# KiCad board Spielmodul.kicad_pcb (continued)
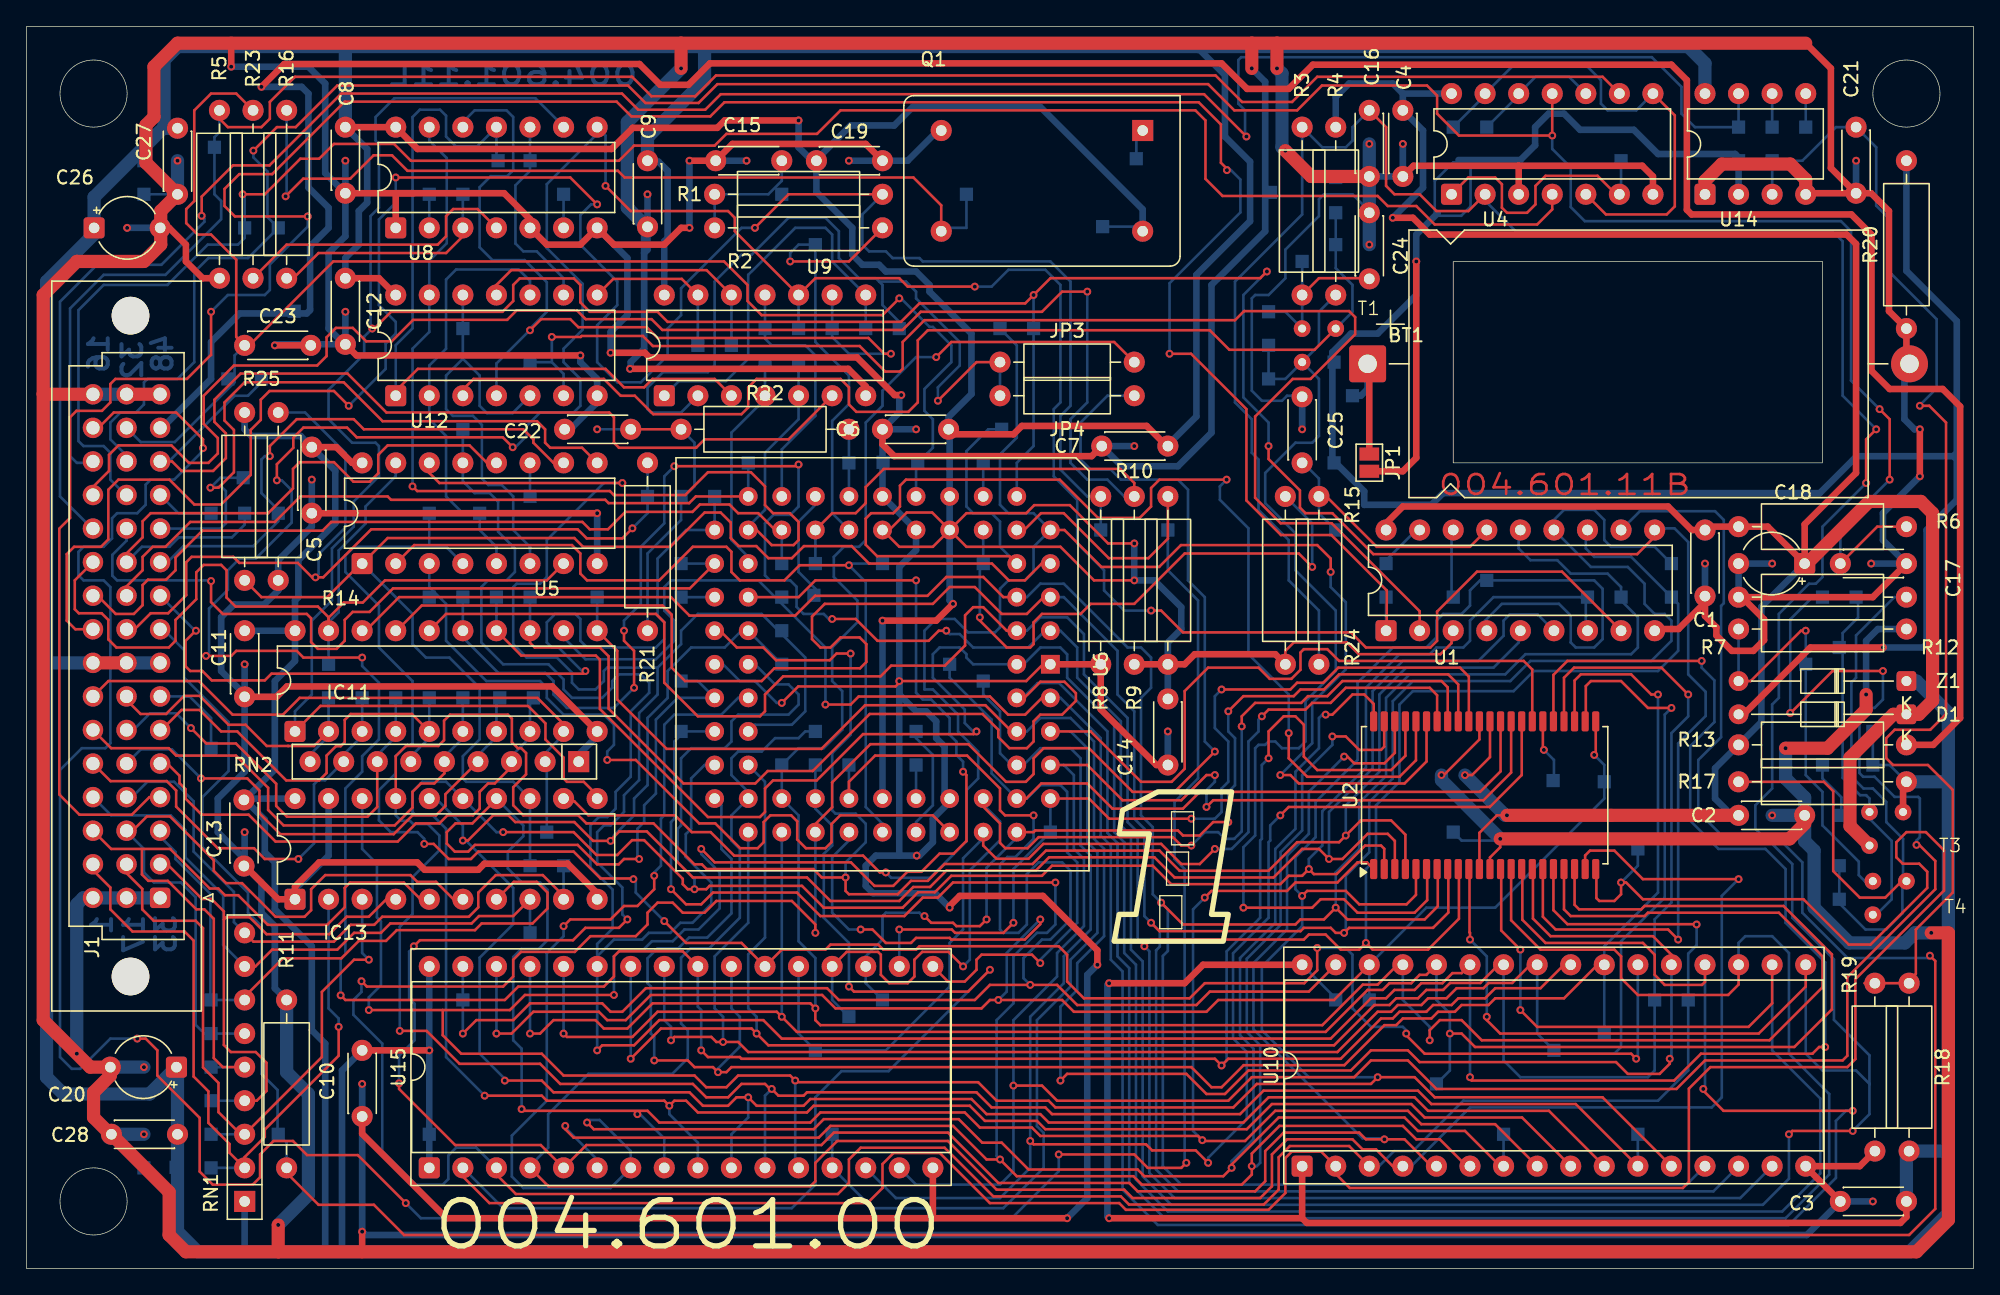
[diagram p0: board, top side]
## Routing (per net, layer and track width the routed paths; a pad name or vN(x,y) marks a point on that pad's centre or on a via; arc(x,y) is an arc through that point) (continued)
D6: length 196.8
  Top w0.2: 113.18,30.1 113.18,26.39 114.94,24.64 122.3,24.64 123.19,23.75 123.19,22.22 123.95,21.46 126.77,21.46 127,21.69 U10.20 ; U6.67 76.84,43.18 75.56,41.91 74.27,41.91 72.9,43.28 62.97,43.28 62.36,42.67 v1(60.45,42.67) ; v1(126.87,13.59) 126.87,13.46 128.4,11.94 v1(138.18,11.94)
  Bottom w0.2: 127,22.86 127,13.72 v1(126.87,13.59) ; 40.64,47.75 42.29,46.1 47.62,46.1 49.02,47.5 49.02,49.02 48.26,49.78 48.26,51.56 48.77,52.07 55.37,52.07 60.45,46.99 v1(60.45,42.67) ; v1(138.18,11.94) 137.67,11.94 136.91,11.18 136.91,6.86 133.35,3.3 85.6,3.3 82.93,5.97 82.93,22.48 82.04,23.37 82.04,32 81.28,32.77 81.28,40.13 78.23,43.18 U6.67
D7: length 149.1
  Top w0.2: 74.54,40.64 72.56,42.62 63.45,42.62 60.15,39.32 48.44,39.32 44.7,43.05 44.7,46.74 IC11.11 ; v1(124.33,15.88) 124.33,15.49 123.57,14.73 121.16,14.73 120.27,15.62 105.41,15.62 104.52,16.51 101.73,16.51 100.2,14.99 92.46,14.99 90.68,13.21 89.28,13.21 87.76,14.73 78.74,14.73 v1(78.23,14.22) ; 113.98,30.1 113.98,26.48 115.32,25.15 123.06,25.15 124.46,23.75 U10.21
  Bottom w0.2: v1(124.33,15.88) 124.46,16 124.46,22.86 ; U6.66 75.69,40.64 76.71,41.66 78.99,41.66 80.77,39.88 80.77,32.51 81.53,31.75 81.53,25.15 79.5,23.11 79.5,21.08 78.23,19.81 v1(78.23,14.22) ; TP75.1 IC11.11
D8: length 110
  Top w0.2: U6.65 80.52,40.64 84.33,36.83 86.65,36.83 87.63,37.81 87.63,43.69 89.41,45.47 93.22,45.47 94.06,44.62 95.71,44.62 96.39,45.31 96.39,46.61 96.65,46.86 98.43,46.86 99.31,45.97 113.28,45.97 113.93,45.33 113.93,41.4
  Bottom w0.2: 60.96,9.91 U15.13 64.01,4.57 73.91,4.57 76.96,7.62 76.96,10.27 76.45,10.78 76.45,18.8 78.99,21.34 78.99,23.37 81.03,25.4 81.03,31.5 80.26,32.26 80.26,39.37 78.99,40.64 U6.65
D9: length 126.8
  Top w0.2: 113.13,41.4 113.13,37.34 110.72,34.92 95.5,34.92 v1(94.87,34.29) ; v1(75.95,9.65) 76.2,9.4 84.71,9.4 85.17,8.94 88.47,8.94 v1(89.41,8)
  Bottom w0.2: v1(94.87,34.29) 94.11,33.53 94.11,32.39 93.98,32.26 93.98,26.54 91.29,23.86 91.29,17.42 92.33,16.38 92.33,11.3 89.41,8.38 v1(89.41,8) ; U15.14 65.79,5.33 73.66,5.33 75.95,7.62 v1(75.95,9.65) 75.95,19.05 78.49,21.59 78.49,23.62 80.52,25.65 80.52,31.24 79.76,32 79.76,38.61 78.99,39.37 76.71,39.37 75.44,38.1 ; 72.39,44.2 72.39,43.43 73.66,42.16 73.66,38.99 74.55,38.1
D10: length 211.7
  Top w0.2: v1(89.92,37.34) 89.28,37.34 87.38,35.43 82.93,35.43 80.26,38.1 U6.63 ; 112.33,41.4 112.33,37.53 110.24,35.43 89.79,35.43 v1(89.28,34.92) ; v1(140.46,45.21) 136.65,45.21 133.48,42.04 v1(133.45,42.04) ; v1(74.68,13.84) 76.84,13.84 77.98,12.7 90.93,12.7 92.71,14.48 100.46,14.48 101.73,15.75 104.52,15.75 106.68,13.59 124.84,13.59 127,15.75 137.41,15.75 137.77,16.1 137.77,22.05 144.42,28.7 144.42,30.84 143.21,32.05 v1(143,32.05)
  Bottom w0.2: v1(89.28,34.92) 89.28,36.2 89.92,36.83 v1(89.92,37.34) ; v1(140.46,45.21) 140.46,43.05 139.83,42.42 139.29,42.42 138.68,41.81 138.68,37.49 138.96,37.21 139.83,37.21 141.35,35.69 143.13,35.69 143.26,35.56 143.26,32.64 143,32.39 v1(143,32.05) ; v1(133.45,42.04) 133.45,49.12 135.13,50.8 TP139.1 ; U6.63 78.49,38.1 79.25,37.34 79.25,31.75 80.01,30.99 80.01,25.91 77.98,23.88 77.98,22.1 74.68,18.8 v1(74.68,13.84) 74.68,7.37 73.66,6.35 67.31,6.35 U15.15
D11: length 83.8
  Top w0.2: U6.62 75.64,35.56 76.78,36.7 80.26,36.7 82.17,34.8 87.5,34.8 88.77,36.07 109.98,36.07 111.53,37.62 111.53,41.4 ; U15.17 69.72,21.72 70.99,21.72 71.88,22.61 71.88,23.37 72.26,23.75 76.07,23.75 v1(76.71,23.11)
  Bottom w0.2: 69.85,45.47 69.85,44.7 73.03,41.53 73.03,37.47 U6.62 75.69,35.56 76.7,36.57 78.24,36.57 78.74,36.07 78.74,31.5 79.5,30.73 79.5,26.16 76.71,23.37 v1(76.71,23.11)
D12: length 69.2
  Top w0.2: v1(90.42,43.81) 95.63,43.81 96.14,44.32 98.11,44.32 99.25,45.47 108.46,45.47 109.13,44.79 109.13,41.4 ; v1(88.14,34.04) 81.91,34.04 80.39,35.56 U6.61 ; v1(74.68,26.16) 73.91,25.4 70.26,25.4 70.01,25.65 66.17,25.65
  Bottom w0.2: U15.18 v1(66.04,25.65) ; v1(88.14,34.04) 89.92,34.04 90.42,34.54 90.42,36.32 90.93,36.83 90.93,39.88 89.92,40.89 89.92,43.31 v1(90.42,43.81) ; U6.61 TP64.1 74.68,30.23 v1(74.68,26.16)
D13: length 70.3
  Top w0.2: 108.33,41.4 108.33,44.2 107.57,44.96 99.31,44.96 98.17,43.81 96.39,43.81 95.88,43.31 92.07,43.31 v1(90.93,42.16) ; U6.60 76.2,33.02 76.33,33.15 87.12,33.15 87.5,32.77 88.77,32.77 89.79,33.78 v1(90.93,33.78) ; v1(67.94,26.67) 68.45,26.16 70.1,26.16 70.36,25.91 72.14,25.91 v1(72.64,26.42)
  Bottom w0.2: 74.93,32.61 72.64,30.33 v1(72.64,26.42) ; v1(67.94,26.67) 67.82,26.67 67.56,26.92 65.02,26.92 64.77,26.67 64.77,24.89 63.5,23.62 U15.19 63.5,21.59 TP48.1 ; v1(90.93,33.78) 90.93,36.07 91.44,36.58 91.44,40.13 90.93,40.64 v1(90.93,42.16)
D14: length 84
  Top w0.2: U15.20 62.06,23.96 64.43,23.96 64.64,23.75 64.64,22.22 65.28,21.59 66.68,21.59 67.18,22.1 67.18,23.37 67.78,23.96 69.76,23.96 v1(70.87,22.86) ; v1(91.95,41.02) 91.95,41.78 92.96,42.8 96.45,42.8 96.96,43.31 98.43,43.31 99.57,44.45 107.06,44.45 107.53,43.98 107.53,41.4 ; 72.39,34.95 73.66,33.68 73.66,32.21 74.07,31.8 75.74,31.8 76.58,32.64 86.74,32.64 87.38,32 v1(88.14,32)
  Bottom w0.2: v1(88.14,32) 89.15,33.02 90.17,33.02 90.68,32.51 91.38,32.51 91.95,33.08 v1(91.95,41.02) ; v1(70.87,22.86) 71.37,23.37 71.37,30.12 73.66,32.41 73.66,33.83 72.39,35.1 ; U15.20 60.96,20.32 TP49.1
D15: length 80.5
  Top w0.2: 106.73,41.4 106.73,43.38 106.17,43.94 99.82,43.94 98.68,42.8 97.28,42.8 96.77,42.29 93.98,42.29 v1(93.47,41.78) ; U6.58 72.39,32 73.39,31.01 75.81,31.01 76.94,32.13 85.85,32.13 87.38,30.61 88.77,30.61 v1(89.92,31.75)
  Bottom w0.2: U15.21 58.42,17.78 TP50.1 65.02,16.51 69.85,21.34 69.85,24.64 70.87,25.65 70.87,31.04 72.39,32.56 ; v1(89.92,31.75) 91.19,31.75 92.46,33.02 92.46,39.88 93.22,40.64 93.22,41.53 v1(93.47,41.78)
EXT_RANGE: length 70.7
  Top w0.2: 22.86,48.7 22.86,49.24 24.01,50.39 25.45,50.39 27.13,52.07 39.37,52.07 U5.7 ; J1.c11 3.66,52.07 3.66,49.89 3.96,49.58 5.69,49.58 6.2,49.07 6.2,47.6 6.81,46.99 10.77,46.99 11.28,47.5 11.28,49.07 12.85,50.65 12.85,52.68 13.41,53.24 14.73,53.24 15.14,52.83 15.14,50.77 15.82,50.09 22.05,50.09 22.86,49.28 IC11.19
  Bottom w0.2: 22.86,48.89 23.62,49.66 23.62,54.33 25.65,56.36 25.65,57.66 27.94,59.94 U5.15 ; IC11.19 TP70.1
FC0: length 15.8
  Bottom w0.2: 54.61,53.85 53.34,55.12 53.34,63.25 55.88,65.79 ; U9.4 55.88,68.33
FC1: length 60
  Top w0.2: U6.29 50.19,51.46 27.74,51.46 25.96,49.68 24.69,49.68 24.08,49.07 24.08,47.5 23.47,46.89 22.05,46.89 21.54,47.4 21.54,49.2 21.21,49.53 14.86,49.53 13.97,50.42 v1(13.97,52.02)
  Bottom w0.2: J1.b12 7.57,55.07 6.5,54 6.5,52.43 6.86,52.07 13.84,52.07 13.89,52.02 v1(13.97,52.02) ; U6.29 TP16.1
FC2: length 81
  Top w0.2: U6.28 55.25,55.88 56.39,54.74 58.04,54.74 58.42,55.12 58.42,56.49 57.76,57.15 56.49,57.15 55.88,57.76 55.88,59.18 54.81,60.25 51.56,60.25 49.83,58.52 44.45,58.52 44.15,58.83 29.57,58.83 v1(29.21,59.18)
  Bottom w0.2: 54.61,56.13 55.88,57.4 55.88,61.72 58.42,64.26 U9.5 58.42,68.33 ; v1(29.21,59.18) 29.21,69.6 30.48,70.87 U12.13 30.48,76.25 31.8,77.57 31.8,84.02 30.48,85.34 U8.13
IPL0: length 68.7
  Top w0.2: v1(12.83,48.26) 12.8,48.26 12.04,47.5 12.04,45.57 12.4,45.21 13.31,45.21 14.02,44.5 18.03,44.5 18.54,45.01 42.11,45.01 42.29,45.19 v1(42.29,45.21)
  Bottom w0.2: TP13.1 U6.27 49.91,55.88 47.75,53.72 47.75,49.4 48.26,48.89 48.26,47.62 47.62,46.99 42.42,46.99 41.91,47.5 41.91,49.15 41.53,49.53 40,49.53 39.37,48.89 39.37,47.37 39.75,46.99 40.26,46.99 42.04,45.21 v1(42.29,45.21) ; J1.a10 12.76,48.26 v1(12.83,48.26)
IPL1: length 54.1
  Top w0.2: U6.26 50.65,58.42 50.14,57.91 44.04,57.91 43.79,58.17 27.58,58.17 27.33,58.42 20.73,58.42 18.8,56.49 12.4,56.49 10.52,54.61 9.55,54.61 8.79,53.85 8.79,52.83 7.57,51.62 J1.b10
  Bottom w0.2: U6.26 TP14.1
IPL2: length 60.5
  Top w0.2: 56.64,55.88 55.37,57.15 53.85,57.15 53.19,57.81 50.95,57.81 50.39,57.25 45.31,57.25 43.99,55.93 42.62,55.93 42.06,56.49 23.06,56.49 22.4,55.83 13.31,55.83 11.28,53.8 11.28,52.83 10.57,52.12 9.19,52.12 8.79,51.71 8.79,50.19 8.13,49.53 6.76,49.53 5.38,50.91
  Bottom w0.2: TP9.1 U6.25
LDS: length 144.9
  Top w0.2: v1(98.68,52.7) 98.68,53.72 97.66,54.74 87.35,54.74 85.7,53.09 81.33,53.09 78.54,55.88 U6.9 ; 40.84,35.36 41.45,35.36 42.52,34.29 49.07,34.29 50.34,33.02 51.77,33.02 53.54,31.24 63.3,31.24 64.57,29.97 v1(65.02,29.97) ; 105.93,41.4 105.93,38.37 104.27,36.7 96.27,36.7 95.63,37.34 v1(94.87,37.34)
  Bottom w0.2: v1(94.87,37.34) 97.28,39.75 97.28,42.8 99.82,45.34 99.82,50.42 98.68,51.56 v1(98.68,52.7) ; v1(65.02,29.97) 65.43,29.57 68.37,29.57 71.12,32.32 71.12,36.2 72.01,37.08 72.01,39.12 70.48,40.64 70.48,41.91 68.58,43.81 67.94,43.81 67.94,48.26 68.83,49.15 70.23,49.15 71.25,48.13 73.28,48.13 73.66,48.51 73.66,51.44 74.29,52.07 75.56,52.07 76.2,52.7 76.2,54.61 U6.9 76.2,57.15 74.29,57.15 73.66,57.78 73.66,61.59 74.93,62.86 74.93,69.85 TP117.1
OE: length 377.6
  Top w0.2: v1(13.59,46.36) 15.49,46.36 15.88,46.74 20.45,46.74 20.95,46.23 v1(25.4,46.23) ; 116.33,22.99 114.55,21.21 111.12,21.21 110.36,20.45 108.33,20.45 107.82,19.94 106.43,19.94 105.92,19.43 103.89,19.43 103.38,18.92 102.49,18.92 99.44,15.88 90.93,15.88 v1(90.42,15.37) 89.92,15.88 54.1,15.88 53.97,16 51.56,16 v1(51.05,16.51) ; v1(36.79,62.14) 36.04,62.89 24.99,62.89 24.26,63.63 20.95,63.63 20.19,62.86 20.19,62.1 18.95,60.86 v1(18.95,59.64) ; U1.8 116.18,52.73 109.75,52.73 106.73,49.71 106.73,47.5 106.22,46.99 101.35,46.99 100.2,48.13 87.5,48.13 85.85,49.78 v1(85.09,49.78) ; U15.24 49.66,24 44.83,24 44.45,23.62 44.45,22.1 43.69,21.34 37.21,21.34 36.19,20.32 24.13,20.32 v1(23.77,20.68) ; 104.33,41.4 104.33,38.8 103.25,37.72 97.66,37.72 96.65,38.73 96.65,41.15 96.01,41.78 95.12,41.78 93.98,40.64 v1(93.98,38.61) ; v1(71.75,74.3) 66.68,74.3 66.04,74.93 59.69,74.93 U9.10 53.59,78.49 53.59,79.5 53.09,80.01 45.72,80.01 v1(43.81,81.91)
  Bottom w0.2: v1(13.59,46.36) 13.82,46.58 13.82,49.94 15.24,51.36 15.24,52.83 16.13,53.72 17.35,53.72 20.07,56.44 20.07,58.89 19.32,59.64 v1(18.95,59.64) ; v1(93.98,38.61) 93.47,38.1 93.47,32.51 93.34,32.39 93.34,26.54 90.81,24 90.81,15.75 v1(90.42,15.37) ; v1(51.05,16.51) 51.05,19.56 50.8,19.81 U15.24 ; v1(25.4,46.23) 25.4,45.59 26.67,44.32 26.67,40.04 25.4,38.77 25.4,37.59 24.13,36.32 24.13,23.77 23.77,23.42 v1(23.77,20.68) ; U8.8 43.81,85.72 v1(43.81,81.91) ; 43.18,85.85 39.37,82.04 39.37,77.22 42.08,74.51 42.08,71.03 40.64,69.6 40.64,68.58 41.91,67.31 41.91,65.28 41.4,64.77 38.86,64.77 37.85,63.75 37.85,62.99 36.96,62.1 36.83,62.1 v1(36.79,62.14) ; U9.10 58.42,70.87 ; v1(85.09,49.78) 83.06,49.78 81.53,51.31 81.53,52.83 79.5,54.86 79.5,58.17 77.72,59.94 77.72,65.02 78.23,65.53 78.23,74.42 77.09,75.56 74.29,75.56 73.03,74.3 v1(71.75,74.3)
R/~{W}: length 284.3
  Top w0.2: 43.18,35.81 42.16,36.83 40.89,36.83 40.64,37.08 40.64,38.66 39.27,40.03 39.27,41.25 37.95,42.57 22.25,42.57 IC11.1 ; v1(93.98,62.23) 93.98,61.25 96.35,58.88 96.35,57.57 96.77,57.15 98.81,57.15 101.9,54.05 121.87,54.05 123.19,55.37 ; v1(93.85,75.44) 93.34,74.93 77.47,74.93 v1(76.2,73.66) 75.56,73.03 67.56,73.03 66.17,71.63 48.51,71.63 47.75,72.39 42.62,72.39 41.91,73.1 41.91,74.42 41.42,74.91 37.32,74.91 36.83,74.42 36.83,73.2 36.02,72.39 27.58,72.39 26.31,71.12 v1(26.16,71.12) ; U2.17 114.73,26.62 115.7,25.65 124.21,25.65 v1(124.97,24.89)
  Bottom w0.2: v1(124.97,24.89) 124.97,39.73 127.05,41.81 127.05,43.64 125.73,44.96 125.73,54.97 124.69,56.01 123.32,56.01 ; IC11.1 20.32,42.16 21.59,43.43 21.59,49.02 23.11,50.55 23.11,54.48 24.77,56.13 24.77,58.04 26.67,59.94 26.67,62.23 26.42,62.48 24.64,62.48 22.86,64.26 22.86,66.5 25.55,69.19 25.55,70.51 v1(26.16,71.12) 26.03,71.25 26.03,79.63 26.67,80.26 26.67,85.09 26.42,85.34 26.42,87.12 27.84,88.54 38.51,88.54 40.26,86.79 ; U6.10 74.93,60.96 76.2,62.23 TP118.1 v1(76.2,73.66) ; v1(93.98,62.23) 93.98,64.01 92.07,65.91 92.07,73.66 v1(93.85,75.44)
RAM_RANGE: length 32.9
  Bottom w0.2: U12.10 38.1,74.73 37.24,75.59 32.51,75.59 31.75,74.83 31.75,69.6 30.48,68.33 U12.2 30.48,64.26 31.75,62.99 31.75,58.42 33.02,57.14 TP84.1 34.29,55.88 35.56,54.61 U5.5
RAM_SELECT: length 87.8
  Top w0.2: 33.02,66.5 33.83,67.31 43.69,67.31 44.96,66.04 46.02,66.04 47.42,64.64 54.1,64.64 54.61,65.15 54.61,66.67 55.25,67.31 61.59,67.31 62.23,66.67 62.23,65.38 62.79,64.82 66.73,64.82 67.44,65.53 67.44,70.23 68.2,70.99 89.53,70.99 91.01,69.52 97.46,69.52 T1.3
  Bottom w0.2: 99.06,80.01 99.06,75.69 100.33,74.42 100.33,72.39 T1.3
RAMVCC: length 221.7
  Top w0.2: v1(112.01,34.29) 111.25,34.29 109.93,32.97 U2.11 ; 110.73,41.4 110.73,38.7 109.37,37.34 v1(108.84,37.34)
  Top w0.5: 102.87,56.39 104.14,57.66 124.21,57.66 125.98,55.88 C1.1 ; 127.25,56.13 R6.1 131.75,56.13 C18.1 134.54,56.31 138.43,60.2 138.43,77.52 137.72,78.23 106.17,78.23 104.9,79.5 v1(103.38,79.5)
  Top w1: 134.72,53.34 139.42,58.04 143.33,58.04 144.22,57.15 144.22,42.98 143.18,41.94 D1.1 141.25,41.94 137.97,38.66 137.97,33.48 T3.1 ; v1(112.01,34.29) C2.1
  Bottom w0.2: 135.89,37.85 135.89,37.08 137.31,35.66 137.31,34.14 T3.1
  Bottom w0.5: 104.14,88.9 C4.1 105.66,86.11 105.66,81.79 v1(103.38,79.5) ; 104.14,88.9 U4.14 ; 104.14,88.9 103.38,89.66 100.08,89.66 99.06,88.65 R4.2 ; C18.1 131.27,50.07 131.27,41.35 R13.1 127.76,37.85 127.76,35.56 129.03,34.29
  Bottom w1: v1(108.84,37.34) 111.89,34.29 v1(112.01,34.29)
ROM_CE: length 155.9
  Top w0.2: v1(97.66,24.26) 97.66,22.57 96.68,21.59 89.15,21.59 88.01,20.45 80.01,20.45 78.74,21.72 78.74,23.75 78.1,24.38 67.56,24.38 67.31,24.13 64.83,24.13 64.45,24.51 60.83,24.51 60.45,24.13 57.15,24.13 U15.22 54.1,24.64 49.91,24.64 v1(48.26,26.29) ; v1(45.92,29.46) 45.87,29.51 43.43,29.51 41.4,31.55 34.19,31.55 33.63,30.99 31.95,30.99 30.81,32.13 v1(30.1,32.13) ; v1(121.79,15.88) 121.41,16.26 105.79,16.26 104.39,17.65 v1(104.39,17.78)
  Bottom w0.2: v1(104.39,17.78) 104.39,18.03 104.14,18.29 101.73,18.29 100.33,19.69 100.33,23.75 99.82,24.26 v1(97.66,24.26) ; v1(48.26,26.29) 46.1,28.45 46.1,29.29 v1(45.92,29.46) ; 121.92,22.86 121.92,16 v1(121.79,15.88) ; 30.48,54.61 24.78,54.61 24.13,53.96 24.13,52.7 26.67,50.17 26.67,46.99 29.21,44.45 29.21,39.75 29.08,39.62 28.8,39.62 27.94,38.77 27.94,37.47 26.67,36.2 26.67,33.91 27.56,33.02 29.59,33.02 30.1,32.51 v1(30.1,32.13) ; 30.48,54.61 31.75,54.61 U5.4 ; 30.48,54.61 TP83.1
RTC_CS: length 106.7
  Top w0.2: v1(39.75,70.48) 41.94,70.48 42.01,70.56 46.63,70.56 47.4,69.8 63.04,69.8 64.97,67.87 66.09,67.87 66.29,68.07 66.29,70.1 67.94,71.75 91.44,71.75 92.13,72.44 100.08,72.44 100.53,71.98 100.53,70.69 97.16,67.31 95.81,67.31 92.96,64.47 92.96,58.32 94.89,56.39 98.76,56.39 105.41,49.73 U1.2
  Bottom w0.2: U12.6 40.64,67.69 39.75,68.58 ; 39.75,68.58 TP86.1 ; 39.75,68.58 v1(39.75,70.48)
RTC_RANGE: length 33.6
  Bottom w0.2: 33.02,68.83 U12.12 ; 33.02,68.83 34.29,67.56 34.29,65.28 34.85,64.72 36.78,64.72 U12.5 ; 33.02,68.83 31.75,67.56 31.75,65.02 32.26,64.52 33.78,64.52 34.46,63.84 34.46,59.78 34.95,59.28 35.97,59.28 36.83,58.42 36.83,55.88 38.1,54.61 U5.6
UDS: length 98
  Top w0.2: U6.8 74.37,53.9 64.36,53.9 63.5,54.76 63.5,56.74 63.91,57.15 65.58,57.15 66.09,57.66 66.09,59.23 66.55,59.69 78.18,59.69 81.08,56.79 84.23,56.79 85.09,57.66 85.09,59.06 85.72,59.69 v1(90.81,59.69) ; 105.13,41.4 105.13,38.46 103.89,37.21 96.9,37.21 95.5,38.61 v1(95.5,40.51)
  Bottom w0.2: U6.8 73.66,54.61 73.66,56.52 73.03,57.15 71.63,57.15 71.12,57.66 71.12,61.85 72.77,63.5 TP11.1 ; v1(95.5,40.51) 95.5,43.43 92.46,46.48 92.46,56.01 90.3,58.17 90.3,59.18 v1(90.81,59.69)
~{AVEC}: length 140.2
  Top w0.2: v1(80.26,73.91) 78.36,73.91 76.84,72.39 67.67,72.39 66.29,71.02 48.11,71.02 47.29,71.83 42.32,71.83 41.66,72.49 37.08,72.49 36.37,71.78 29.26,71.78 27.64,70.15 25.7,70.15 24.69,71.17 23.42,71.17 22.71,70.46 22.71,69.04 22,68.33 15.7,68.33 13.41,66.04 13.41,63.91 14.48,62.84 14.48,61.67 13.77,60.96 12.29,60.96 10.97,62.28 6.96,62.28 6.25,61.57 6.25,60.35 5.03,59.14 ; R9.2 83.82,59.44 82.75,60.5 64.87,60.5 63.5,59.13 63.5,57.91 62.74,57.15 60.96,57.15 U6.23
  Bottom w0.2: R9.2 83.06,58.42 81.79,59.69 80.26,59.69 78.99,60.96 78.99,64.26 80.26,65.53 v1(80.26,73.91) ; TP10.1 U6.23
~{BERR}: length 19.4
  Bottom w0.2: U6.24 57.15,61.98 59.69,64.52 59.69,69.09 58.93,69.85 56.39,69.85 55.88,70.36 U9.11
~{BGACK}: length 43.1
  Top w0.2: v1(72.14,49.28) 72.14,49.02 74.17,46.99 75.95,46.99 76.2,47.24 76.2,48.89 76.84,49.53 79.76,49.53 80.52,50.29 83.82,50.29 87.63,54.1 96.27,54.1 v1(97.28,53.09)
  Bottom w0.2: U6.13 TP90.1 ; v1(97.28,53.09) 97.28,56.39 R15.2 ; 72.14,53.09 v1(72.14,49.28)
~{BG}: length 2.5
  Bottom w0.2: TP12.1 U6.12
~{DTACK}: length 239
  Top w0.2: v1(28.7,4.95) 25.07,8.59 21.23,8.59 20.17,9.65 18.69,9.65 17.68,8.64 17.68,6.91 17.12,6.35 14.1,6.35 13.11,7.34 13.11,11.4 9.91,14.6 9.91,16.51 9.02,17.4 v1(8.38,17.4) ; 75.49,55.88 76.76,57.15 78.49,57.15 81.89,53.75 84.89,53.75 86.36,55.22 R10.2 ; v1(87.76,8) 87.38,7.62 84.84,7.62 83.82,8.64 v1(78.1,8.64) ; 5.44,63.61 6.6,64.77 11.33,64.77 13.36,62.74 v1(13.36,62.08)
  Bottom w0.2: v1(28.7,4.95) 29.84,3.81 74.55,3.81 78.1,7.37 v1(78.1,8.64) ; v1(87.76,8) 87.63,8.13 87.63,30.23 86.87,30.99 86.87,35.31 88.65,37.08 88.65,50.55 86.36,52.83 R10.2 ; v1(8.38,17.4) 6.35,17.4 4.06,15.11 3.43,15.11 2.54,16 2.54,37.72 4.19,39.37 5.97,39.37 6.35,39.75 6.35,51.56 5.84,52.07 4.32,52.07 3.94,52.45 3.94,54.23 4.32,54.61 5.84,54.61 6.48,55.25 6.48,56.77 6.86,57.15 8.38,57.15 9.02,57.78 9.02,59.31 9.4,59.69 11.18,59.69 13.21,61.72 13.21,61.93 v1(13.36,62.08)
~{HALT}: length 5.1
  Bottom w0.2: R22.2 TP15.1 U6.20
~{RESET}: length 34.5
  Top w0.2: R2.2 62.23,76.2 v1(57.78,76.2)
  Bottom w0.2: v1(57.78,76.2) 57.78,76.84 58.42,77.47 TP17.1 59.69,70.1 62.23,67.56 62.23,65.41 60.96,64.14 60.96,57.15 U6.21
Net-(BT1-+): length 9.9
  Top w0.5: JP1.1 101.6,68.22
  Bottom w0.5: BT1.1 101.47,66.55 100.97,66.04 TP36.1
Net-(C15-Pad1): length 9.6
  Bottom w0.2: C15.1 57.15,82.3 56.13,81.28 R1.1 R2.1
Net-(C22-Pad1): length 23.5
  Top w0.2: R22.1 C22.1
  Bottom w0.2: R22.1 50.55,62.48 50.55,59.18 49.53,58.17 49.53,56.64 46.99,54.1 R21.1 ; C22.1 v1(43.18,63.5)
Net-(JP3-A): length 61.9
  Top w0.2: JP3.1 71.88,68.58 v1(68.96,65.66)
  Bottom w0.2: v1(68.96,65.66) 68.96,66.67 70.61,68.33 70.61,70.1 67.31,73.41 67.31,73.91 66.55,74.68 64.52,74.68 ; 64.52,74.68 64.26,74.93 62.99,74.93 61.47,76.45 61.47,78.49 60.45,79.5 57.66,79.5 54.86,76.71 54.1,76.71 52.07,74.68 52.07,68.33 51.56,67.82 48.15,67.82 46.99,66.66 46.99,65.02 47.24,64.77 49.53,64.77 U9.2 ; 64.52,74.68 64.77,74.42 64.77,72.9 66.04,71.63 TP21.1 ; JP3.1 JP4.1
Net-(Q1-OUT): length 65.1
  Top w0.2: Q1.8 69.22,80.44 67.11,82.55 45.26,82.55 44.75,83.06 28.83,83.06 27.66,84.23 26.26,84.23 24.5,82.46 20.94,82.46 v1(19.61,81.13)
  Bottom w0.2: R16.2 19.69,81.2 v1(19.61,81.13) ; 69.47,78.74 71.12,78.74 TP34.1
Net-(R16-Pad1): length 16.7
  Top w0.2: 20.19,74.93 22.1,76.84 31.75,76.84 33.02,78.11
  Bottom w0.2: U8.3 TP40.1
Net-(R23-Pad1): length 22.1
  Top w0.2: R23.1 19.69,77.47 31.11,77.47 31.75,78.11 31.75,79.63 32.28,80.16 34.14,80.16 U8.4
Net-(T1-D): length 80.6
  Top w0.2: 105.98,30.1 105.98,27.88 105.03,26.92 100.71,26.92 99.69,27.94 97.92,27.94 97.28,27.31 v1(92.07,27.31)
  Bottom w0.2: T1.1 97.79,69.85 97.79,72.39 R4.1 ; T1.1 95.25,67.31 TP113.1 TP112.1 ; T1.1 97.79,67.31 97.79,62.99 97.28,62.48 96.01,62.48 93.73,60.2 93.73,57.91 96.01,55.63 96.01,52.83 99.06,49.78 99.06,45.21 96.77,42.93 96.77,39.88 96.27,39.37 95,39.37 94.49,39.88 93.98,39.88 93.73,39.62 93.22,39.62 92.96,39.37 92.96,32.77 92.07,31.88 v1(92.07,27.31)
Net-(T1-G): length 13.9
  Top w0.2: 101.6,74.93 97.79,74.93 R3.1
  Bottom w0.2: TP110.1 R3.1 96.52,71.01 ; TP111.1 95.25,72.39 T1.2
Net-(T3-B): length 26.2
  Bottom w0.2: 139.45,34.04 141.12,32.36 141.12,27.94 140.11,26.92 ; T3.2 139.45,35.56 139.19,35.81 138.73,35.81 137.41,37.13 137.41,48.08 138.58,49.25 138.58,50.39 138.18,50.8
Net-(T4-B): length 32
  Top w0.2: v1(134.62,48.26) 134.26,48.26 130.45,44.45 Z1.2
  Bottom w0.2: Z1.2 R7.1 ; v1(134.62,48.26) 134.62,37.34 135.89,36.07 135.89,33.53 138.63,30.78 138.63,29.77 139.09,29.31 T4.2
Net-(T4-E): length 57
  Top w0.2: R17.1 135.99,36.83 136.7,36.12 136.7,30.07 138.71,28.07 140.64,28.07 141.99,29.41
  Bottom w0.2: 137.16,30.23 137.16,27.64 139.14,25.65 140.72,25.65 141.94,26.87 141.94,29.51 ; 141.99,29.57 141.99,32.51 140.72,33.78 140.72,35.31 139.7,36.32 138.99,36.32 138.07,37.24 138.07,44.35 138.43,44.7 138.43,47.9 141.33,50.8 R12.2
Net-(TP31-Pad1): length 20.1
  Top w0.2: 120.27,81.28 118.87,82.68 114.94,82.68 114.17,81.91 114.17,80.52 113.54,79.88 112.01,79.88 111.63,80.26 111.63,82.04 111.12,82.55 109.09,82.55 U4.1
  Bottom w0.2: TP31.1 120.65,81.41
Net-(TP32-Pad1): length 9.5
  Bottom w0.2: 112.9,88.77 TP32.1 ; U4.10 116.71,90.17 114.17,90.17 112.9,88.9
Net-(TP33-Pad1): length 36.7
  Top w0.2: U4.5 119.51,79.76 124.1,79.76 124.71,80.37 124.71,87.25 123.06,88.9
  Bottom w0.2: U4.13 112.4,90.93 118.11,90.93 119.13,89.92 119.13,88.14 119.63,87.63 121.79,87.63 123.06,88.9 ; 110.36,88.77 TP33.1
Net-(TP38-Pad1): length 60.8
  Top w0.2: U9.3 52.07,67.31 47.37,67.31 46.74,66.67 45.21,66.67 43.81,68.07 29.62,68.07 27.94,66.4
  Bottom w0.2: U12.1 27.94,69.87 29.21,71.14 29.21,87.12 29.77,87.68 31.29,87.68 31.75,87.22 31.75,85.65 32.51,84.89 34.09,84.89 U8.11 35.56,83.94
Net-(TP39-Pad1): length 15.3
  Bottom w0.2: U8.10 38.1,83.06 37,81.96 37,77.56 37.59,76.96 38.61,76.96 40.64,74.93 U12.9
Net-(TP41-Pad1): length 2.5
  Bottom w0.2: U8.2 TP41.1
Net-(TP53-Pad1): length 30.3
  Bottom w0.2: U9.1 49.36,67.14 52.92,67.14 54.61,68.83 54.61,75.18 58.17,78.74 60.45,78.74 60.96,78.23 60.96,76.2 U9.8 63.5,70.87
Net-(TP54-Pad1): length 69.3
  Top w0.2: v1(38.1,70.99) 38.94,71.83 41.15,71.83 41.76,71.22 46.94,71.22 47.75,70.41 63.7,70.41 64.9,69.22 v1(65.41,69.22)
  Bottom w0.2: U12.4 35.56,68.48 38.07,70.99 v1(38.1,70.99) 38.1,71.12 39.37,72.39 39.37,74.63 37.69,76.3 35.26,76.3 34.29,77.27 34.29,81.81 35.13,82.65 36.37,82.65 36.83,83.11 36.83,87.12 36.32,87.63 33.91,87.63 33.02,86.74 ; U9.9 TP54.1 60.96,70.48 62.23,69.22 v1(65.41,69.22)
Net-(TP58-Pad1): length 23.8
  Top w0.2: U12.11 35.56,74.42 36.68,75.54 51.46,75.54 U9.12
  Bottom w0.2: U9.12 53.34,69.6
Net-(TP59-Pad1): length 12.7
  Top w0.2: U12.8 44.4,74.88 49.58,74.88 U9.13
  Bottom w0.2: U9.13 50.8,69.6
Net-(TP99-Pad1): length 3.2
  Bottom w0.2: 105.16,55.88 102.87,53.59
Net-(TP100-Pad1): length 4.8
  Bottom w0.2: 107.82,55.75 107.82,50.93
Net-(TP144-Pad1): length 2.5
  Bottom w0.2: TP144.1 U8.6
Net-(U1-CS1): length 20.3
  Top w0.2: U1.15 109.22,54.61 102.16,54.61 98.35,58.42
  Bottom w0.2: TP134.1 97.79,57.15 R24.2 97.79,59.77 96.6,60.96
Net-(U5B-O1): length 2.5
  Bottom w0.2: U5.11 TP82.1
Net-(U14--): length 90.3
  Top w0.2: v1(143.26,65.28) 143.97,65.28 145.24,64.01 145.24,41.96 144.04,40.77 141.35,40.77 140.72,40.13 140.72,38.61 141.22,38.1 143.87,38.1 145.75,36.22 145.75,28.45 142.95,25.65 142.95,22.3 142.49,21.84 ; 139.06,21.59 142.24,21.59
  Bottom w0.2: v1(143.26,65.28) 143.26,65.33 144.53,66.6 144.53,71.83 140.92,75.44 140.92,79.45 139.95,80.42 139.95,84.84 C21.1 136.91,86.36 134.37,83.82 TP28.1 U14.3
Net-(U14-BAL): length 2.5
  Bottom w0.2: U14.5 TP30.1
Net-(U14-STRB): length 2.5
  Bottom w0.2: U14.6 TP29.1
unconnected-(Q1-NC-Pad1): length 1.7
  Bottom w0.2: 83.97,85.62 83.97,83.92
unconnected-(U2-NC-Pad28): length 4.7
  Top w0.2: v1(114.81,39.24) 114.73,39.32 114.73,41.4
  Bottom w0.2: 115.57,37.08 115.57,38.48 v1(114.81,39.24)
unconnected-(U6-NC-Pad22): length 8.7
  Bottom w0.2: U6.22 59.69,57.78 58.42,56.52 58.42,52.7 59.69,51.44 59.69,50.8

## Text on the board
Bottom: 16 | 32 | 48 | 1 / 17 / 33 | 004.601.11L
B.Silkscreen: 004.601.11L
Top: 004.601.11B
F.Silkscreen: 004.601.00 | ☆
